# KiCad board panel.kicad_pcb (continued)
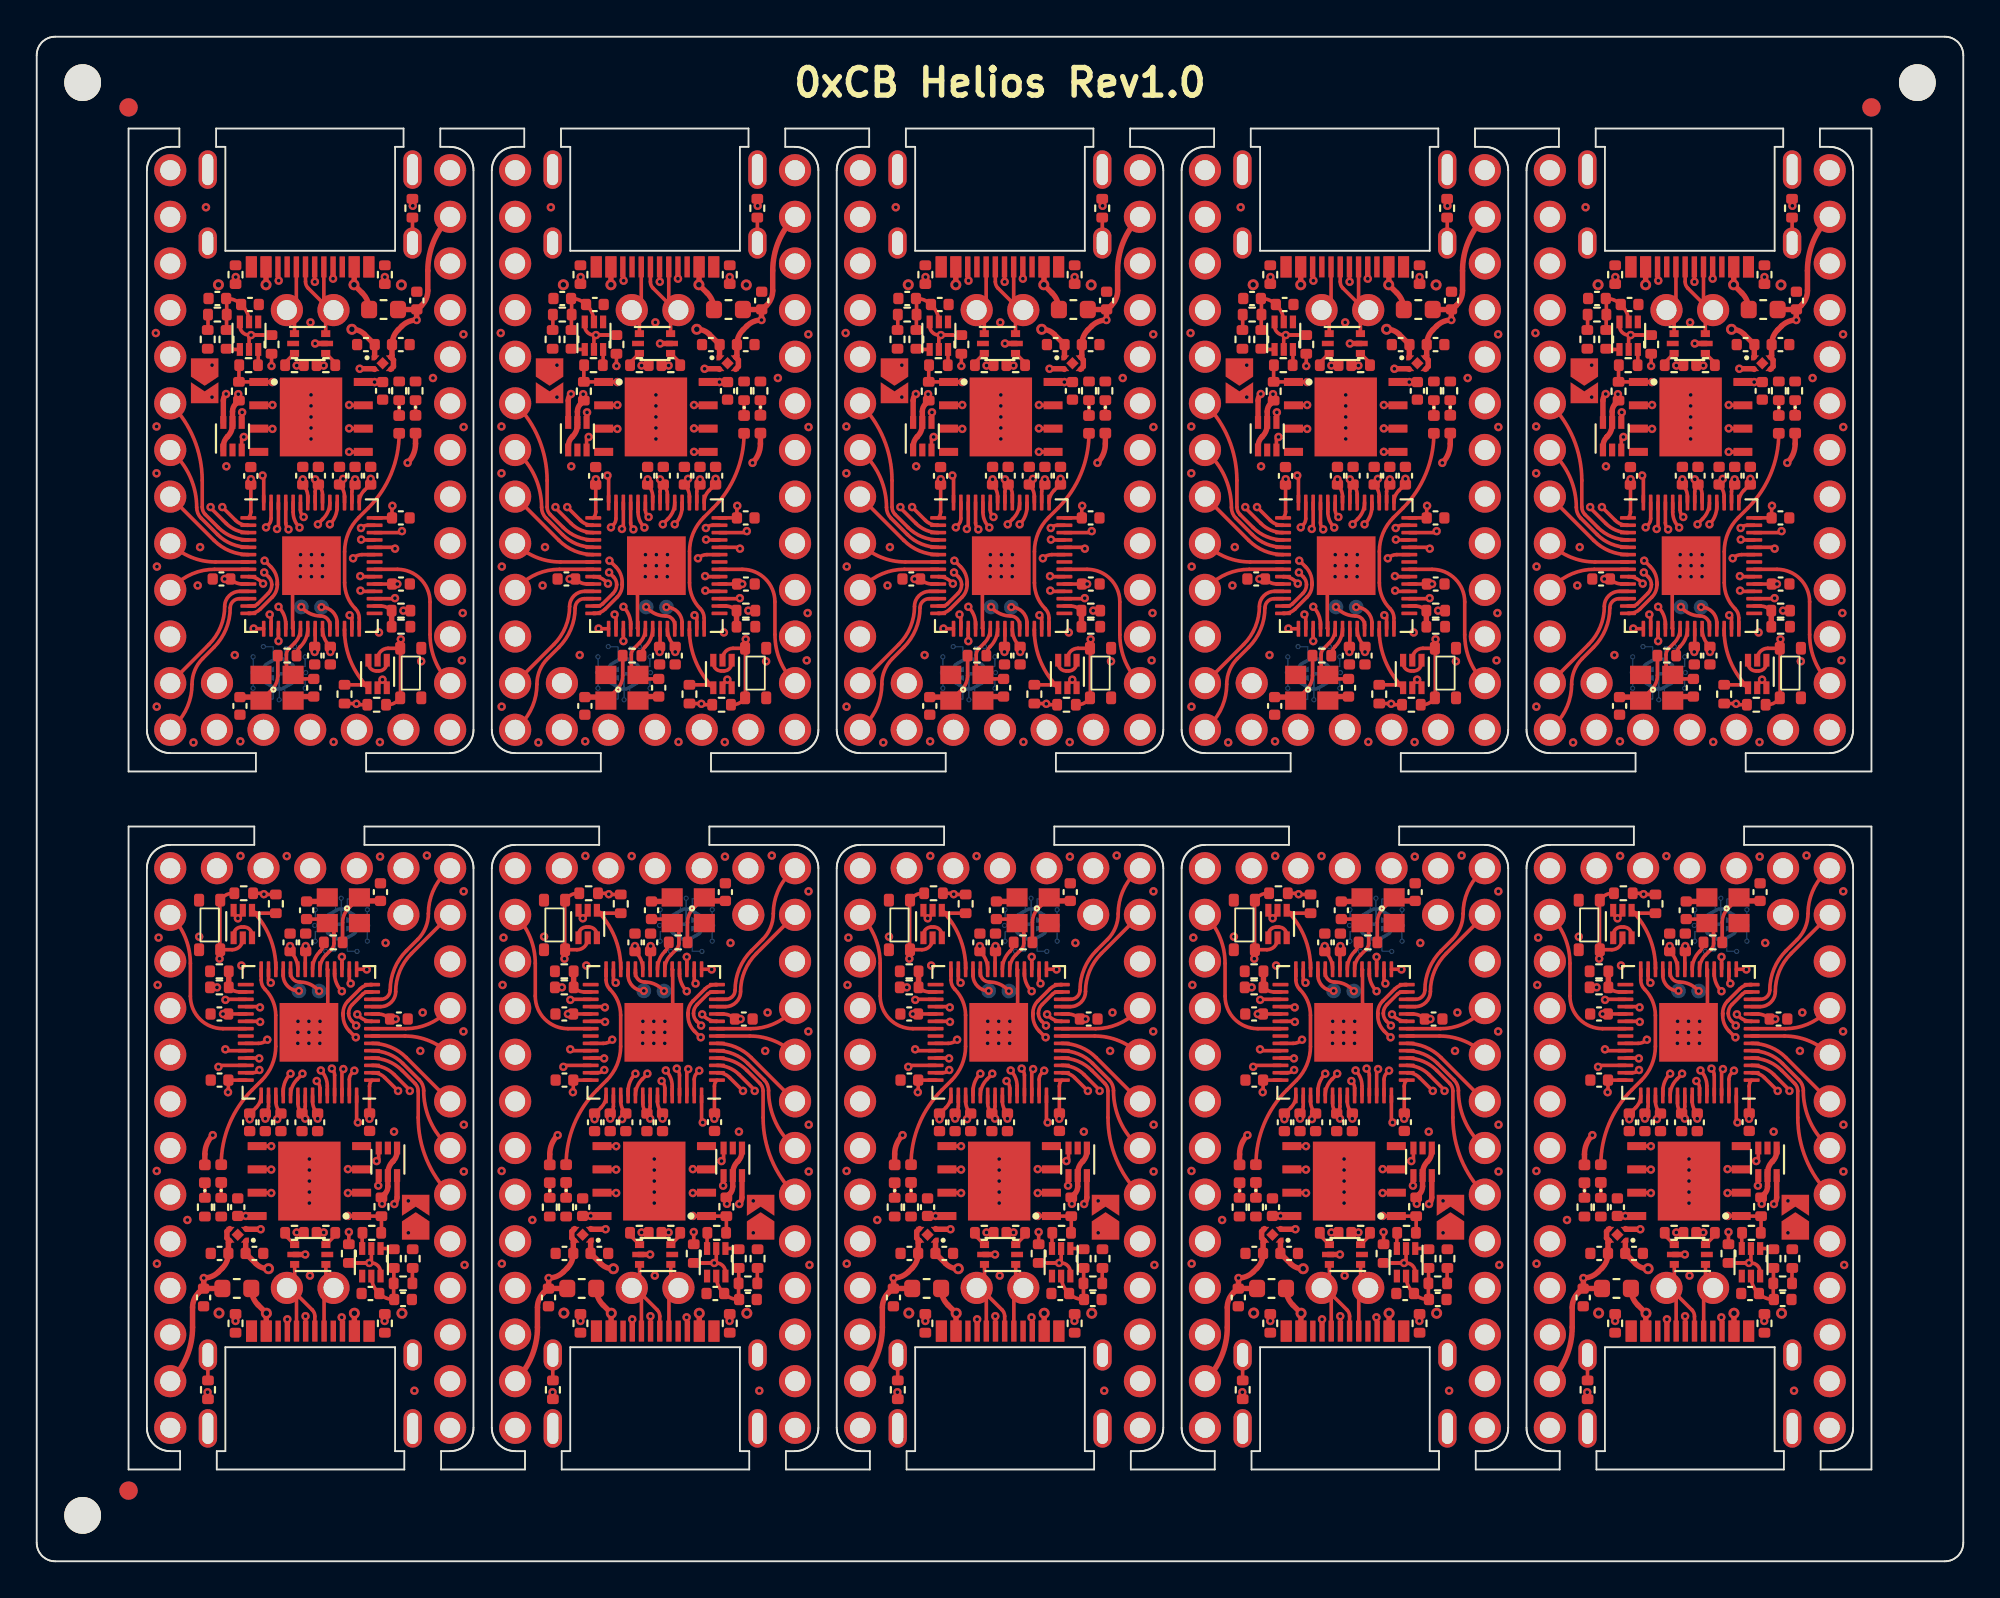
[diagram p0: board, top side]
## Copper pours and planes (outline as drawn; the poured copper is in the pictures) (continued)
Board_4-/11 on In1.Cu: 96.78,74.27 96.86,74.44 96.95,74.57 97.05,74.66 97.15,74.73 97.27,74.77 97.4,74.8 97.54,74.83 97.68,74.86 97.84,74.91 98,74.98 97.91,76.11 96.78,75.97 96.74,75.77 96.72,75.6 96.72,75.45 96.72,75.31 96.73,75.18 96.73,75.04 96.73,74.9 96.71,74.74 96.66,74.55 96.59,74.34
Board_4-/12 on In1.Cu: 85.91,46.73 85.8,46.56 85.69,46.44 85.58,46.36 85.46,46.31 85.34,46.27 85.21,46.25 85.07,46.23 84.92,46.2 84.76,46.16 84.59,46.1 84.64,44.96 85.77,45.06 85.82,45.25 85.84,45.42 85.85,45.57 85.85,45.84 85.86,45.97 85.88,46.11 85.92,46.26 85.98,46.43 86.09,46.63
Board_4-/13 on In1.Cu: 87.37,47.04 87.36,46.83 87.33,46.66 87.28,46.52 87.21,46.4 87.14,46.3 87.05,46.2 86.96,46.09 86.87,45.97 86.77,45.84 86.68,45.67 87.47,44.85 88.26,45.67 88.17,45.84 88.07,45.97 87.98,46.09 87.89,46.2 87.8,46.3 87.73,46.4 87.66,46.52 87.61,46.66 87.58,46.83 87.57,47.04
Board_4-/14 on In1.Cu: 88.88,46.65 88.98,46.45 89.04,46.28 89.07,46.12 89.09,45.98 89.1,45.85 89.09,45.72 89.09,45.58 89.1,45.43 89.12,45.26 89.16,45.06 90.3,44.96 90.36,46.09 90.19,46.16 90.03,46.2 89.88,46.23 89.74,46.25 89.61,46.27 89.49,46.31 89.38,46.37 89.27,46.45 89.16,46.58 89.06,46.74
Board_4-/15 on In1.Cu: 91.24,46.45 91.38,46.3 91.48,46.16 91.54,46.02 91.58,45.89 91.6,45.77 91.61,45.63 91.62,45.5 91.64,45.35 91.67,45.18 91.72,45 92.86,44.98 92.84,46.12 92.66,46.17 92.49,46.2 92.34,46.22 92.21,46.23 92.07,46.24 91.95,46.26 91.82,46.3 91.68,46.36 91.54,46.46 91.39,46.6
Board_4-/16 on In1.Cu: 93.8,46.51 93.93,46.34 94.02,46.18 94.08,46.04 94.11,45.9 94.13,45.77 94.14,45.64 94.15,45.5 94.17,45.36 94.21,45.19 94.26,45 95.4,44.98 95.38,46.12 95.2,46.17 95.03,46.2 94.88,46.21 94.74,46.22 94.61,46.24 94.48,46.26 94.35,46.3 94.23,46.37 94.1,46.48 93.96,46.63
Board_4-/20_SDI on In1.Cu: 96.32,51.53 96.46,51.38 96.56,51.24 96.62,51.1 96.66,50.97 96.68,50.85 96.69,50.71 96.7,50.58 96.72,50.43 96.75,50.26 96.8,50.08 97.94,50.06 97.92,51.2 97.74,51.25 97.57,51.28 97.42,51.3 97.29,51.31 97.15,51.32 97.03,51.34 96.9,51.38 96.76,51.44 96.62,51.54 96.47,51.68
Board_4-/21_CS on In1.Cu: 96.32,46.45 96.46,46.3 96.56,46.16 96.62,46.02 96.66,45.89 96.68,45.77 96.69,45.63 96.7,45.5 96.72,45.35 96.75,45.18 96.8,45 97.94,44.98 97.92,46.12 97.74,46.17 97.57,46.2 97.42,46.22 97.29,46.23 97.15,46.24 97.03,46.26 96.9,46.3 96.76,46.36 96.62,46.46 96.47,46.6
Board_4-/22_SCK on In1.Cu: 96.07,53.58 96.25,53.54 96.38,53.48 96.48,53.4 96.55,53.31 96.61,53.2 96.65,53.08 96.69,52.94 96.73,52.8 96.79,52.65 96.86,52.49 97.99,52.65 97.75,53.78 97.55,53.8 97.38,53.81 97.23,53.8 97.09,53.79 96.82,53.76 96.68,53.75 96.51,53.74 96.32,53.75 96.1,53.78
Board_4-/23_SDO on Top: 96.62,49.28 96.69,49.07 96.72,48.88 96.74,48.72 96.74,48.57 96.74,48.44 96.73,48.3 96.72,48.16 96.72,48.01 96.74,47.84 96.77,47.64 97.9,47.49 98.01,48.62 97.85,48.69 97.69,48.73 97.55,48.77 97.41,48.8 97.29,48.83 97.17,48.88 97.06,48.95 96.97,49.04 96.89,49.17 96.81,49.34
Board_4-/A0 on In1.Cu: 95.92,55.06 96.15,55.04 96.34,55.01 96.5,54.97 96.64,54.91 96.76,54.85 96.89,54.78 97.02,54.72 97.16,54.66 97.33,54.61 97.53,54.58 98.04,55.6 97.01,56.07 96.89,55.94 96.8,55.82 96.64,55.6 96.56,55.5 96.47,55.42 96.37,55.35 96.25,55.3 96.11,55.27 95.92,55.26
Board_4-/A1 on In1.Cu: 96.47,56.68 96.62,56.82 96.76,56.92 96.9,56.98 97.03,57.02 97.15,57.04 97.29,57.05 97.42,57.06 97.57,57.08 97.74,57.11 97.92,57.16 97.94,58.3 96.8,58.28 96.75,58.1 96.72,57.93 96.7,57.78 96.69,57.65 96.68,57.51 96.66,57.39 96.62,57.26 96.56,57.12 96.46,56.98 96.32,56.83
Board_4-/A2 on In1.Cu: 96.47,59.22 96.62,59.36 96.76,59.46 96.9,59.52 97.03,59.56 97.15,59.58 97.29,59.59 97.42,59.6 97.57,59.62 97.74,59.65 97.92,59.7 97.94,60.84 96.8,60.82 96.75,60.64 96.72,60.47 96.7,60.32 96.69,60.19 96.68,60.05 96.66,59.93 96.62,59.8 96.56,59.66 96.46,59.52 96.32,59.37
Board_4-/A3 on In1.Cu: 96.48,61.42 96.53,61.64 96.61,61.8 96.71,61.91 96.83,61.99 96.98,62.05 97.14,62.08 97.32,62.11 97.51,62.14 97.71,62.18 97.92,62.24 97.94,63.38 96.76,63.19 96.72,62.98 96.68,62.79 96.63,62.64 96.58,62.49 96.53,62.36 96.47,62.22 96.42,62.07 96.37,61.9 96.32,61.69 96.28,61.45
Board_4-/PORT+ on Top: 89.16,69.74 89.14,69.58 89.11,69.46 89.06,69.35 88.99,69.27 88.91,69.2 88.81,69.15 88.7,69.1 88.58,69.04 88.46,68.99 88.32,68.92 88.48,67.79 89.62,68.15 89.61,68.35 89.59,68.51 89.56,68.66 89.52,68.79 89.49,68.91 89.45,69.04 89.41,69.18 89.38,69.33 89.36,69.52 89.36,69.74
Board_4-/PORT+ on Top: 89.25,66.87 89.26,67 89.27,67.12 89.29,67.22 89.32,67.32 89.35,67.4 89.38,67.48 89.42,67.55 89.52,67.75 88.53,68.54 88.64,67.28 88.69,67.27 88.74,67.26 88.8,67.24 88.85,67.21 88.9,67.18 88.95,67.13 88.99,67.08 89.03,67.02 89.05,66.95 89.06,66.87
Board_4-/PORT+ on In1.Cu: 89.99,69.38 89.84,69.24 89.7,69.15 89.57,69.09 89.45,69.06 89.32,69.05 89.19,69.05 89.06,69.05 88.91,69.05 88.75,69.04 88.56,69.01 88.39,67.88 89.52,67.76 89.6,67.94 89.65,68.1 89.69,68.25 89.74,68.52 89.77,68.65 89.81,68.79 89.88,68.93 89.99,69.07 90.13,69.24
Board_4-/PORT- on Top: 90.95,66.87 90.96,66.95 90.98,67.02 91.02,67.08 91.06,67.13 91.11,67.18 91.16,67.21 91.22,67.24 91.27,67.26 91.32,67.27 91.37,67.28 91.49,68.53 90.5,67.76 90.6,67.56 90.63,67.49 90.67,67.41 90.69,67.32 90.72,67.22 90.74,67.12 90.75,67 90.75,66.87
Board_4-/PORT- on Top: 90.66,69.73 90.65,69.51 90.63,69.33 90.6,69.17 90.57,69.03 90.53,68.91 90.49,68.78 90.46,68.65 90.43,68.51 90.41,68.35 90.4,68.15 91.54,67.8 91.68,68.93 91.55,68.99 91.42,69.05 91.3,69.1 91.2,69.15 91.1,69.2 91.02,69.27 90.95,69.35 90.9,69.45 90.87,69.57 90.86,69.73
Board_4-/PORT- on Top: 89.88,69.22 90.03,69.06 90.13,68.91 90.2,68.77 90.25,68.64 90.28,68.51 90.33,68.23 90.37,68.08 90.42,67.92 90.5,67.74 91.63,67.89 91.44,69.01 91.26,69.04 91.1,69.04 90.95,69.04 90.82,69.04 90.69,69.04 90.56,69.05 90.44,69.08 90.31,69.14 90.17,69.23 90.02,69.36
Board_4-/RESET on In2.Cu: 96.71,66.68 96.8,66.85 96.9,66.98 97.01,67.06 97.12,67.12 97.24,67.16 97.37,67.19 97.51,67.21 97.66,67.24 97.82,67.28 97.99,67.35 97.91,68.48 96.78,68.37 96.74,68.17 96.72,68 96.71,67.85 96.72,67.71 96.72,67.58 96.72,67.45 96.7,67.3 96.67,67.15 96.61,66.97 96.53,66.77
Board_4-/RGB_5V on In2.Cu: 85.22,49.57 85.12,49.37 85.02,49.21 84.92,49.09 84.82,48.98 84.72,48.89 84.62,48.8 84.52,48.7 84.41,48.59 84.31,48.46 84.19,48.29 84.89,47.39 85.76,48.12 85.69,48.29 85.61,48.43 85.53,48.56 85.46,48.68 85.39,48.79 85.34,48.9 85.31,49.02 85.3,49.16 85.33,49.31 85.4,49.49
Board_4-GND on Top, Bottom: 77.84,81.23 102.34,81.23 102.34,41.73 77.84,41.73
Board_4-Net-(C8-Pad2) on Top: 88.09,47.93 88.04,47.79 87.97,47.69 87.9,47.61 87.82,47.55 87.73,47.51 87.64,47.47 87.53,47.45 87.42,47.42 87.3,47.39 87.17,47.35 87.15,46.7 87.8,46.72 87.85,46.86 87.9,46.98 87.95,47.08 87.99,47.18 88.08,47.36 88.12,47.46 88.17,47.57 88.23,47.7 88.28,47.87
Board_4-Net-(C8-Pad2) on Top: 86.36,46.92 86.46,46.92 86.54,46.9 86.61,46.88 86.67,46.85 86.72,46.82 86.76,46.77 86.81,46.72 86.9,46.61 86.96,46.54 87.56,46.79 87.3,47.38 87.18,47.37 87.09,47.35 87,47.33 86.93,47.31 86.85,47.29 86.78,47.27 86.69,47.25 86.6,47.23 86.49,47.22 86.36,47.22
Board_4-Net-(FB1-Pad1) on Top: 95.48,72.79 95.47,72.68 95.46,72.58 95.43,72.5 95.4,72.43 95.37,72.37 95.32,72.31 95.28,72.25 95.23,72.19 95.18,72.11 95.13,72.02 95.58,71.55 96.03,72.02 95.98,72.11 95.93,72.19 95.88,72.25 95.84,72.31 95.79,72.37 95.76,72.43 95.73,72.5 95.7,72.58 95.69,72.68 95.68,72.79
Board_5-+3V3 on In1.Cu, In2.Cu: 28.05,2.81 3.55,2.81 3.55,42.31 28.05,42.31
Board_5-+5V on Top: 8.08,11.33 8,11.16 7.91,11.03 7.82,10.93 7.71,10.87 7.6,10.82 7.48,10.78 7.35,10.75 7.21,10.72 7.06,10.67 6.9,10.6 6.99,9.47 8.12,9.61 8.16,9.81 8.18,9.97 8.19,10.12 8.19,10.26 8.19,10.39 8.2,10.53 8.21,10.67 8.24,10.83 8.28,11.01 8.36,11.22
Board_5-/0_TX0 on In1.Cu: 21.7,11.39 21.79,11.22 21.85,11.06 21.87,10.92 21.87,10.78 21.84,10.66 21.8,10.53 21.76,10.39 21.71,10.24 21.67,10.08 21.64,9.89 22.66,9.4 23.12,10.44 22.97,10.58 22.83,10.68 22.7,10.76 22.46,10.9 22.35,10.98 22.23,11.07 22.11,11.18 21.99,11.32 21.86,11.5
Board_5-/1_RX0 on In1.Cu: 21.51,13.8 21.57,13.59 21.6,13.4 21.62,13.24 21.62,13.09 21.62,12.96 21.61,12.82 21.6,12.68 21.6,12.53 21.62,12.36 21.65,12.16 22.78,12.01 22.89,13.14 22.73,13.21 22.58,13.25 22.43,13.29 22.29,13.32 22.17,13.35 22.05,13.4 21.95,13.47 21.85,13.56 21.77,13.69 21.7,13.87
Board_5-/2_SDA1 on Top: 21.38,21.33 21.48,21.13 21.54,20.96 21.57,20.8 21.59,20.66 21.59,20.53 21.59,20.4 21.59,20.26 21.6,20.11 21.62,19.94 21.66,19.74 22.8,19.64 22.86,20.77 22.69,20.84 22.53,20.88 22.38,20.91 22.24,20.93 22.11,20.95 21.99,20.99 21.88,21.05 21.77,21.13 21.66,21.26 21.56,21.42
Board_5-/3_SCL1 on Top: 21.37,23.86 21.45,23.66 21.51,23.48 21.55,23.33 21.57,23.19 21.57,23.05 21.58,22.92 21.58,22.78 21.59,22.64 21.62,22.47 21.67,22.28 22.8,22.18 22.85,23.32 22.68,23.38 22.52,23.42 22.37,23.44 22.23,23.46 22.09,23.48 21.97,23.51 21.85,23.57 21.74,23.65 21.64,23.78 21.55,23.95
Board_5-/4 on Top: 21.2,26.21 21.34,26.06 21.44,25.92 21.5,25.78 21.54,25.65 21.56,25.53 21.57,25.39 21.58,25.26 21.6,25.11 21.63,24.94 21.68,24.76 22.82,24.74 22.8,25.88 22.62,25.93 22.45,25.96 22.3,25.98 22.17,25.99 22.03,26 21.91,26.02 21.78,26.06 21.64,26.12 21.5,26.22 21.35,26.36
Board_5-/5 on Top: 20.99,28.38 21.16,28.31 21.29,28.23 21.39,28.14 21.46,28.04 21.5,27.92 21.54,27.8 21.57,27.66 21.61,27.52 21.66,27.36 21.72,27.2 22.86,27.32 22.69,28.45 22.49,28.48 22.32,28.5 22.17,28.5 22.03,28.49 21.9,28.48 21.76,28.47 21.61,28.47 21.45,28.48 21.26,28.51 21.04,28.57
Board_5-/6 on Top: 21.1,29.07 21.31,29.13 21.5,29.17 21.66,29.19 21.8,29.2 21.93,29.2 22.07,29.2 22.2,29.21 22.35,29.22 22.52,29.24 22.72,29.28 22.85,30.41 21.71,30.49 21.65,30.33 21.61,30.17 21.58,30.02 21.55,29.88 21.53,29.74 21.49,29.62 21.43,29.51 21.34,29.42 21.21,29.33 21.03,29.26
Board_5-/7 on In2.Cu: 20.82,32.28 21.01,32.34 21.17,32.35 21.3,32.34 21.43,32.3 21.54,32.24 21.65,32.17 21.76,32.09 21.89,32.01 22.03,31.93 22.2,31.85 22.95,32.71 22.06,33.42 21.9,33.32 21.76,33.21 21.65,33.11 21.56,33.01 21.46,32.91 21.37,32.82 21.26,32.73 21.12,32.64 20.96,32.55 20.75,32.47
Board_5-/8 on Top: 21.35,33.9 21.5,34.04 21.64,34.14 21.78,34.2 21.91,34.24 22.03,34.26 22.17,34.27 22.3,34.28 22.45,34.3 22.62,34.33 22.8,34.38 22.82,35.52 21.68,35.5 21.63,35.32 21.6,35.15 21.58,35 21.57,34.87 21.56,34.73 21.54,34.61 21.5,34.48 21.44,34.34 21.34,34.2 21.2,34.05
Board_5-/9 on Top: 21.6,36.29 21.68,36.47 21.77,36.59 21.87,36.68 21.98,36.74 22.11,36.78 22.24,36.8 22.38,36.82 22.53,36.85 22.69,36.89 22.86,36.95 22.79,38.08 21.66,37.97 21.62,37.78 21.59,37.61 21.58,37.46 21.57,37.32 21.57,37.19 21.57,37.06 21.55,36.91 21.53,36.75 21.48,36.57 21.41,36.36
Board_5-/10 on In2.Cu: 21.46,8.69 21.54,8.48 21.58,8.3 21.6,8.14 21.61,8 21.61,7.86 21.6,7.73 21.6,7.59 21.6,7.44 21.62,7.27 21.66,7.07 22.79,6.93 22.88,8.06 22.72,8.13 22.56,8.18 22.41,8.21 22.28,8.24 22.15,8.27 22.03,8.31 21.92,8.37 21.82,8.47 21.73,8.59 21.65,8.77
Board_5-/11 on In1.Cu: 8.12,8.77 8.04,8.6 7.95,8.47 7.85,8.38 7.75,8.31 7.63,8.27 7.5,8.24 7.36,8.21 7.22,8.18 7.06,8.13 6.9,8.06 6.99,6.93 8.12,7.07 8.16,7.27 8.18,7.44 8.18,7.59 8.18,7.73 8.17,7.86 8.17,8 8.17,8.14 8.19,8.3 8.24,8.49 8.31,8.7
Board_5-/12 on In1.Cu: 18.99,36.31 19.1,36.48 19.21,36.6 19.32,36.68 19.44,36.73 19.56,36.77 19.69,36.79 19.83,36.81 19.98,36.84 20.14,36.88 20.31,36.94 20.26,38.08 19.13,37.98 19.08,37.79 19.06,37.62 19.05,37.47 19.05,37.2 19.04,37.07 19.02,36.93 18.98,36.78 18.92,36.61 18.81,36.41
Board_5-/13 on In1.Cu: 17.53,36 17.54,36.21 17.57,36.38 17.62,36.52 17.69,36.64 17.76,36.74 17.85,36.84 17.94,36.95 18.03,37.07 18.13,37.2 18.22,37.37 17.43,38.19 16.64,37.37 16.73,37.2 16.83,37.07 16.92,36.95 17.01,36.84 17.1,36.74 17.17,36.64 17.24,36.52 17.29,36.38 17.32,36.21 17.33,36
Board_5-/14 on In1.Cu: 16.02,36.39 15.92,36.59 15.86,36.76 15.83,36.92 15.81,37.06 15.8,37.19 15.81,37.32 15.81,37.46 15.8,37.61 15.78,37.78 15.74,37.98 14.6,38.08 14.54,36.95 14.71,36.88 14.87,36.84 15.02,36.81 15.16,36.79 15.29,36.77 15.41,36.73 15.52,36.67 15.63,36.59 15.74,36.46 15.84,36.3
Board_5-/15 on In1.Cu: 13.66,36.59 13.52,36.74 13.42,36.88 13.36,37.02 13.32,37.15 13.3,37.27 13.29,37.41 13.28,37.54 13.26,37.69 13.23,37.86 13.18,38.04 12.04,38.06 12.06,36.92 12.24,36.87 12.41,36.84 12.56,36.82 12.69,36.81 12.83,36.8 12.95,36.78 13.08,36.74 13.22,36.68 13.36,36.58 13.51,36.44
Board_5-/16 on In1.Cu: 11.1,36.53 10.97,36.7 10.88,36.86 10.82,37 10.79,37.14 10.77,37.27 10.76,37.4 10.75,37.54 10.73,37.68 10.69,37.85 10.64,38.04 9.5,38.06 9.52,36.92 9.7,36.87 9.87,36.84 10.02,36.83 10.16,36.82 10.29,36.8 10.42,36.78 10.55,36.74 10.67,36.67 10.8,36.56 10.94,36.41
Board_5-/20_SDI on In1.Cu: 8.58,31.51 8.44,31.66 8.34,31.8 8.28,31.94 8.24,32.07 8.22,32.19 8.21,32.33 8.2,32.46 8.18,32.61 8.15,32.78 8.1,32.96 6.96,32.98 6.98,31.84 7.16,31.79 7.33,31.76 7.48,31.74 7.61,31.73 7.75,31.72 7.87,31.7 8,31.66 8.14,31.6 8.28,31.5 8.43,31.36
Board_5-/21_CS on In1.Cu: 8.58,36.59 8.44,36.74 8.34,36.88 8.28,37.02 8.24,37.15 8.22,37.27 8.21,37.41 8.2,37.54 8.18,37.69 8.15,37.86 8.1,38.04 6.96,38.06 6.98,36.92 7.16,36.87 7.33,36.84 7.48,36.82 7.61,36.81 7.75,36.8 7.87,36.78 8,36.74 8.14,36.68 8.28,36.58 8.43,36.44
Board_5-/22_SCK on In1.Cu: 8.83,29.46 8.65,29.5 8.52,29.56 8.42,29.64 8.35,29.73 8.29,29.84 8.25,29.96 8.21,30.1 8.17,30.24 8.11,30.39 8.04,30.55 6.91,30.39 7.15,29.26 7.35,29.24 7.52,29.23 7.67,29.24 7.81,29.25 8.08,29.28 8.22,29.29 8.39,29.3 8.58,29.29 8.8,29.26
Board_5-/23_SDO on Top: 8.28,33.76 8.21,33.97 8.18,34.16 8.16,34.32 8.16,34.47 8.16,34.6 8.17,34.74 8.18,34.88 8.18,35.03 8.16,35.2 8.13,35.4 7,35.55 6.89,34.42 7.05,34.35 7.21,34.31 7.35,34.27 7.49,34.24 7.61,34.21 7.73,34.16 7.84,34.09 7.93,34 8.01,33.87 8.09,33.7
Board_5-/A0 on In1.Cu: 8.98,27.98 8.75,28 8.56,28.03 8.4,28.07 8.26,28.13 8.14,28.19 8.01,28.26 7.88,28.32 7.74,28.38 7.57,28.43 7.37,28.46 6.86,27.44 7.89,26.97 8.01,27.1 8.1,27.22 8.26,27.44 8.34,27.54 8.43,27.62 8.53,27.69 8.65,27.74 8.79,27.77 8.98,27.79
Board_5-/A1 on In1.Cu: 8.43,26.36 8.28,26.22 8.14,26.12 8,26.06 7.87,26.02 7.75,26 7.61,25.99 7.48,25.98 7.33,25.96 7.16,25.93 6.98,25.88 6.96,24.74 8.1,24.76 8.15,24.94 8.18,25.11 8.2,25.26 8.21,25.39 8.22,25.53 8.24,25.65 8.28,25.78 8.34,25.92 8.44,26.06 8.58,26.21
Board_5-/A2 on In1.Cu: 8.43,23.82 8.28,23.68 8.14,23.58 8,23.52 7.87,23.48 7.75,23.46 7.61,23.45 7.48,23.44 7.33,23.42 7.16,23.39 6.98,23.34 6.96,22.2 8.1,22.22 8.15,22.4 8.18,22.57 8.2,22.72 8.21,22.85 8.22,22.99 8.24,23.11 8.28,23.24 8.34,23.38 8.44,23.52 8.58,23.67
Board_5-/A3 on In1.Cu: 8.42,21.62 8.37,21.4 8.29,21.24 8.19,21.13 8.07,21.05 7.92,20.99 7.76,20.96 7.58,20.93 7.39,20.9 7.19,20.86 6.98,20.8 6.96,19.66 8.14,19.85 8.18,20.06 8.22,20.25 8.27,20.4 8.32,20.55 8.37,20.68 8.43,20.82 8.48,20.97 8.53,21.14 8.58,21.35 8.62,21.59
Board_5-/PORT+ on Top: 15.64,16.17 15.64,16.04 15.63,15.92 15.61,15.82 15.58,15.72 15.55,15.64 15.52,15.56 15.48,15.49 15.38,15.29 16.37,14.5 16.26,15.76 16.21,15.77 16.16,15.78 16.1,15.8 16.05,15.83 16,15.86 15.95,15.91 15.91,15.96 15.87,16.02 15.85,16.09 15.84,16.17
Board_5-/PORT+ on Top: 15.75,13.3 15.76,13.46 15.79,13.58 15.84,13.69 15.91,13.77 15.99,13.84 16.09,13.89 16.2,13.94 16.32,14 16.44,14.05 16.58,14.12 16.42,15.25 15.28,14.89 15.29,14.69 15.31,14.53 15.34,14.38 15.38,14.25 15.41,14.13 15.45,14 15.49,13.86 15.52,13.71 15.54,13.52 15.55,13.3
Board_5-/PORT+ on In1.Cu: 14.91,13.66 15.06,13.8 15.2,13.89 15.33,13.95 15.45,13.98 15.58,13.99 15.71,13.99 15.84,13.99 15.99,13.99 16.15,14 16.34,14.03 16.51,15.16 15.38,15.28 15.3,15.1 15.25,14.94 15.21,14.79 15.16,14.52 15.13,14.39 15.09,14.25 15.02,14.11 14.91,13.97 14.77,13.8
Board_5-/PORT- on Top: 15.02,13.82 14.87,13.98 14.77,14.13 14.7,14.27 14.65,14.4 14.62,14.53 14.57,14.81 14.53,14.96 14.48,15.12 14.4,15.3 13.27,15.15 13.46,14.03 13.64,14 13.8,14 13.95,14 14.08,14 14.21,14 14.34,13.99 14.46,13.96 14.59,13.9 14.73,13.81 14.88,13.68
Board_5-/PORT- on Top: 13.95,16.17 13.94,16.09 13.92,16.02 13.88,15.96 13.84,15.91 13.79,15.86 13.74,15.83 13.68,15.8 13.63,15.78 13.58,15.77 13.53,15.76 13.41,14.51 14.4,15.28 14.3,15.48 14.27,15.55 14.23,15.63 14.21,15.72 14.18,15.82 14.16,15.92 14.15,16.04 14.14,16.17
Board_5-/PORT- on Top: 14.25,13.31 14.25,13.53 14.27,13.71 14.3,13.87 14.33,14.01 14.37,14.13 14.41,14.26 14.44,14.39 14.47,14.53 14.49,14.69 14.5,14.89 13.36,15.24 13.22,14.11 13.35,14.05 13.48,13.99 13.6,13.94 13.7,13.89 13.8,13.84 13.88,13.77 13.95,13.69 14,13.59 14.03,13.47 14.05,13.31
Board_5-/RESET on In2.Cu: 8.19,16.36 8.1,16.19 8,16.06 7.89,15.98 7.78,15.92 7.66,15.88 7.53,15.85 7.39,15.83 7.24,15.8 7.08,15.76 6.91,15.69 6.99,14.56 8.12,14.67 8.16,14.87 8.18,15.04 8.19,15.19 8.18,15.33 8.18,15.46 8.18,15.59 8.2,15.74 8.23,15.89 8.29,16.07 8.37,16.27
Board_5-/RGB_5V on In2.Cu: 19.68,33.47 19.78,33.67 19.88,33.83 19.98,33.95 20.08,34.06 20.18,34.15 20.28,34.24 20.38,34.34 20.49,34.45 20.59,34.58 20.71,34.75 20.01,35.65 19.14,34.92 19.21,34.75 19.29,34.61 19.37,34.48 19.44,34.36 19.51,34.25 19.56,34.14 19.59,34.02 19.6,33.88 19.57,33.73 19.5,33.55
Board_5-GND on Top, Bottom: 27.05,1.81 2.55,1.81 2.55,41.31 27.05,41.31
Board_5-Net-(C8-Pad2) on Top: 18.54,36.12 18.44,36.12 18.36,36.14 18.29,36.16 18.23,36.19 18.18,36.22 18.14,36.27 18.09,36.32 18,36.43 17.94,36.5 17.34,36.25 17.6,35.66 17.72,35.67 17.81,35.69 17.9,35.71 17.97,35.73 18.05,35.75 18.12,35.77 18.21,35.79 18.3,35.81 18.41,35.82 18.54,35.82
Board_5-Net-(C8-Pad2) on Top: 16.81,35.11 16.86,35.25 16.93,35.35 17,35.43 17.08,35.49 17.17,35.53 17.26,35.57 17.37,35.59 17.48,35.62 17.6,35.65 17.73,35.69 17.75,36.34 17.1,36.32 17.05,36.18 17,36.06 16.95,35.96 16.91,35.86 16.82,35.68 16.78,35.58 16.73,35.47 16.67,35.34 16.62,35.17
Board_5-Net-(FB1-Pad1) on Top: 9.42,10.25 9.43,10.36 9.44,10.46 9.47,10.54 9.5,10.61 9.53,10.67 9.58,10.73 9.62,10.79 9.67,10.85 9.72,10.93 9.77,11.02 9.32,11.49 8.87,11.02 8.92,10.93 8.97,10.85 9.02,10.79 9.06,10.73 9.11,10.67 9.14,10.61 9.17,10.54 9.2,10.46 9.21,10.36 9.22,10.25
Board_6-+3V3 on In1.Cu, In2.Cu: 46.84,2.81 22.34,2.81 22.34,42.31 46.84,42.31
Board_6-+5V on Top: 26.86,11.33 26.78,11.16 26.69,11.03 26.6,10.93 26.49,10.87 26.38,10.82 26.26,10.78 26.13,10.75 25.99,10.72 25.84,10.67 25.68,10.6 25.77,9.47 26.9,9.61 26.94,9.81 26.96,9.97 26.97,10.12 26.97,10.26 26.97,10.39 26.98,10.53 26.99,10.67 27.02,10.83 27.06,11.01 27.14,11.22
Board_6-/0_TX0 on In1.Cu: 40.48,11.39 40.57,11.22 40.63,11.06 40.65,10.92 40.65,10.78 40.62,10.66 40.58,10.53 40.54,10.39 40.49,10.24 40.45,10.08 40.42,9.89 41.44,9.4 41.9,10.44 41.75,10.58 41.61,10.68 41.48,10.76 41.24,10.9 41.13,10.98 41.01,11.07 40.89,11.18 40.77,11.32 40.64,11.5
Board_6-/1_RX0 on In1.Cu: 40.29,13.8 40.35,13.59 40.38,13.4 40.4,13.24 40.4,13.09 40.4,12.96 40.39,12.82 40.38,12.68 40.38,12.53 40.4,12.36 40.43,12.16 41.56,12.01 41.67,13.14 41.51,13.21 41.36,13.25 41.21,13.29 41.07,13.32 40.95,13.35 40.83,13.4 40.73,13.47 40.63,13.56 40.55,13.69 40.48,13.87
Board_6-/2_SDA1 on Top: 40.16,21.33 40.26,21.13 40.32,20.96 40.35,20.8 40.37,20.66 40.37,20.53 40.37,20.4 40.37,20.26 40.38,20.11 40.4,19.94 40.44,19.74 41.58,19.64 41.64,20.77 41.47,20.84 41.31,20.88 41.16,20.91 41.02,20.93 40.89,20.95 40.77,20.99 40.66,21.05 40.55,21.13 40.44,21.26 40.34,21.42
Board_6-/3_SCL1 on Top: 40.15,23.86 40.23,23.66 40.29,23.48 40.33,23.33 40.35,23.19 40.35,23.05 40.36,22.92 40.36,22.78 40.37,22.64 40.4,22.47 40.45,22.28 41.58,22.18 41.63,23.32 41.46,23.38 41.3,23.42 41.15,23.44 41.01,23.46 40.87,23.48 40.75,23.51 40.63,23.57 40.52,23.65 40.42,23.78 40.33,23.95
Board_6-/4 on Top: 39.98,26.21 40.12,26.06 40.22,25.92 40.28,25.78 40.32,25.65 40.34,25.53 40.35,25.39 40.36,25.26 40.38,25.11 40.41,24.94 40.46,24.76 41.6,24.74 41.58,25.88 41.4,25.93 41.23,25.96 41.08,25.98 40.95,25.99 40.81,26 40.69,26.02 40.56,26.06 40.42,26.12 40.28,26.22 40.13,26.36
Board_6-/5 on Top: 39.77,28.38 39.94,28.31 40.07,28.23 40.17,28.14 40.24,28.04 40.28,27.92 40.32,27.8 40.35,27.66 40.39,27.52 40.44,27.36 40.5,27.2 41.64,27.32 41.47,28.45 41.27,28.48 41.1,28.5 40.95,28.5 40.81,28.49 40.68,28.48 40.54,28.47 40.39,28.47 40.23,28.48 40.04,28.51 39.82,28.57
Board_6-/6 on Top: 39.88,29.07 40.09,29.13 40.28,29.17 40.44,29.19 40.58,29.2 40.71,29.2 40.85,29.2 40.98,29.21 41.13,29.22 41.3,29.24 41.5,29.28 41.63,30.41 40.49,30.49 40.43,30.33 40.39,30.17 40.36,30.02 40.33,29.88 40.31,29.74 40.27,29.62 40.21,29.51 40.12,29.42 39.99,29.33 39.81,29.26
Board_6-/7 on In2.Cu: 39.6,32.28 39.79,32.34 39.95,32.35 40.08,32.34 40.21,32.3 40.32,32.24 40.43,32.17 40.54,32.09 40.67,32.01 40.81,31.93 40.98,31.85 41.73,32.71 40.84,33.42 40.68,33.32 40.54,33.21 40.43,33.11 40.34,33.01 40.24,32.91 40.15,32.82 40.04,32.73 39.9,32.64 39.74,32.55 39.53,32.47
Board_6-/8 on Top: 40.13,33.9 40.28,34.04 40.42,34.14 40.56,34.2 40.69,34.24 40.81,34.26 40.95,34.27 41.08,34.28 41.23,34.3 41.4,34.33 41.58,34.38 41.6,35.52 40.46,35.5 40.41,35.32 40.38,35.15 40.36,35 40.35,34.87 40.34,34.73 40.32,34.61 40.28,34.48 40.22,34.34 40.12,34.2 39.98,34.05
Board_6-/9 on Top: 40.38,36.29 40.46,36.47 40.55,36.59 40.65,36.68 40.76,36.74 40.89,36.78 41.02,36.8 41.16,36.82 41.31,36.85 41.47,36.89 41.64,36.95 41.57,38.08 40.44,37.97 40.4,37.78 40.37,37.61 40.36,37.46 40.35,37.32 40.35,37.19 40.35,37.06 40.33,36.91 40.31,36.75 40.26,36.57 40.19,36.36
Board_6-/10 on In2.Cu: 40.24,8.69 40.32,8.48 40.36,8.3 40.38,8.14 40.39,8 40.39,7.86 40.38,7.73 40.38,7.59 40.38,7.44 40.4,7.27 40.44,7.07 41.57,6.93 41.66,8.06 41.5,8.13 41.34,8.18 41.19,8.21 41.06,8.24 40.93,8.27 40.81,8.31 40.7,8.37 40.6,8.47 40.51,8.59 40.43,8.77
Board_6-/11 on In1.Cu: 26.9,8.77 26.82,8.6 26.73,8.47 26.63,8.38 26.53,8.31 26.41,8.27 26.28,8.24 26.14,8.21 26,8.18 25.84,8.13 25.68,8.06 25.77,6.93 26.9,7.07 26.94,7.27 26.96,7.44 26.96,7.59 26.96,7.73 26.95,7.86 26.95,8 26.95,8.14 26.97,8.3 27.02,8.49 27.09,8.7
Board_6-/12 on In1.Cu: 37.77,36.31 37.88,36.48 37.99,36.6 38.1,36.68 38.22,36.73 38.34,36.77 38.47,36.79 38.61,36.81 38.76,36.84 38.92,36.88 39.09,36.94 39.04,38.08 37.91,37.98 37.86,37.79 37.84,37.62 37.83,37.47 37.83,37.2 37.82,37.07 37.8,36.93 37.76,36.78 37.7,36.61 37.59,36.41
Board_6-/13 on In1.Cu: 36.31,36 36.32,36.21 36.35,36.38 36.4,36.52 36.47,36.64 36.54,36.74 36.63,36.84 36.72,36.95 36.81,37.07 36.91,37.2 37,37.37 36.21,38.19 35.42,37.37 35.51,37.2 35.61,37.07 35.7,36.95 35.79,36.84 35.88,36.74 35.95,36.64 36.02,36.52 36.07,36.38 36.1,36.21 36.11,36
Board_6-/14 on In1.Cu: 34.8,36.39 34.7,36.59 34.64,36.76 34.61,36.92 34.59,37.06 34.58,37.19 34.59,37.32 34.59,37.46 34.58,37.61 34.56,37.78 34.52,37.98 33.38,38.08 33.32,36.95 33.49,36.88 33.65,36.84 33.8,36.81 33.94,36.79 34.07,36.77 34.19,36.73 34.3,36.67 34.41,36.59 34.52,36.46 34.62,36.3
Board_6-/15 on In1.Cu: 32.44,36.59 32.3,36.74 32.2,36.88 32.14,37.02 32.1,37.15 32.08,37.27 32.07,37.41 32.06,37.54 32.04,37.69 32.01,37.86 31.96,38.04 30.82,38.06 30.84,36.92 31.02,36.87 31.19,36.84 31.34,36.82 31.47,36.81 31.61,36.8 31.73,36.78 31.86,36.74 32,36.68 32.14,36.58 32.29,36.44
Board_6-/16 on In1.Cu: 29.88,36.53 29.75,36.7 29.66,36.86 29.6,37 29.57,37.14 29.55,37.27 29.54,37.4 29.53,37.54 29.51,37.68 29.47,37.85 29.42,38.04 28.28,38.06 28.3,36.92 28.48,36.87 28.65,36.84 28.8,36.83 28.94,36.82 29.07,36.8 29.2,36.78 29.33,36.74 29.45,36.67 29.58,36.56 29.72,36.41
Board_6-/20_SDI on In1.Cu: 27.36,31.51 27.22,31.66 27.12,31.8 27.06,31.94 27.02,32.07 27,32.19 26.99,32.33 26.98,32.46 26.96,32.61 26.93,32.78 26.88,32.96 25.74,32.98 25.76,31.84 25.94,31.79 26.11,31.76 26.26,31.74 26.39,31.73 26.53,31.72 26.65,31.7 26.78,31.66 26.92,31.6 27.06,31.5 27.21,31.36
Board_6-/21_CS on In1.Cu: 27.36,36.59 27.22,36.74 27.12,36.88 27.06,37.02 27.02,37.15 27,37.27 26.99,37.41 26.98,37.54 26.96,37.69 26.93,37.86 26.88,38.04 25.74,38.06 25.76,36.92 25.94,36.87 26.11,36.84 26.26,36.82 26.39,36.81 26.53,36.8 26.65,36.78 26.78,36.74 26.92,36.68 27.06,36.58 27.21,36.44
Board_6-/22_SCK on In1.Cu: 27.61,29.46 27.43,29.5 27.3,29.56 27.2,29.64 27.13,29.73 27.07,29.84 27.03,29.96 26.99,30.1 26.95,30.24 26.89,30.39 26.82,30.55 25.69,30.39 25.93,29.26 26.13,29.24 26.3,29.23 26.45,29.24 26.59,29.25 26.86,29.28 27,29.29 27.17,29.3 27.36,29.29 27.58,29.26
Board_6-/23_SDO on Top: 27.06,33.76 26.99,33.97 26.96,34.16 26.94,34.32 26.94,34.47 26.94,34.6 26.95,34.74 26.96,34.88 26.96,35.03 26.94,35.2 26.91,35.4 25.78,35.55 25.67,34.42 25.83,34.35 25.99,34.31 26.13,34.27 26.27,34.24 26.39,34.21 26.51,34.16 26.62,34.09 26.71,34 26.79,33.87 26.87,33.7
Board_6-/A0 on In1.Cu: 27.76,27.98 27.53,28 27.34,28.03 27.18,28.07 27.04,28.13 26.92,28.19 26.79,28.26 26.66,28.32 26.52,28.38 26.35,28.43 26.15,28.46 25.64,27.44 26.67,26.97 26.79,27.1 26.88,27.22 27.04,27.44 27.12,27.54 27.21,27.62 27.31,27.69 27.43,27.74 27.57,27.77 27.76,27.79
Board_6-/A1 on In1.Cu: 27.21,26.36 27.06,26.22 26.92,26.12 26.78,26.06 26.65,26.02 26.53,26 26.39,25.99 26.26,25.98 26.11,25.96 25.94,25.93 25.76,25.88 25.74,24.74 26.88,24.76 26.93,24.94 26.96,25.11 26.98,25.26 26.99,25.39 27,25.53 27.02,25.65 27.06,25.78 27.12,25.92 27.22,26.06 27.36,26.21
